# KiCad board A64-OlinuXino_Rev_H.kicad_pcb (continued)
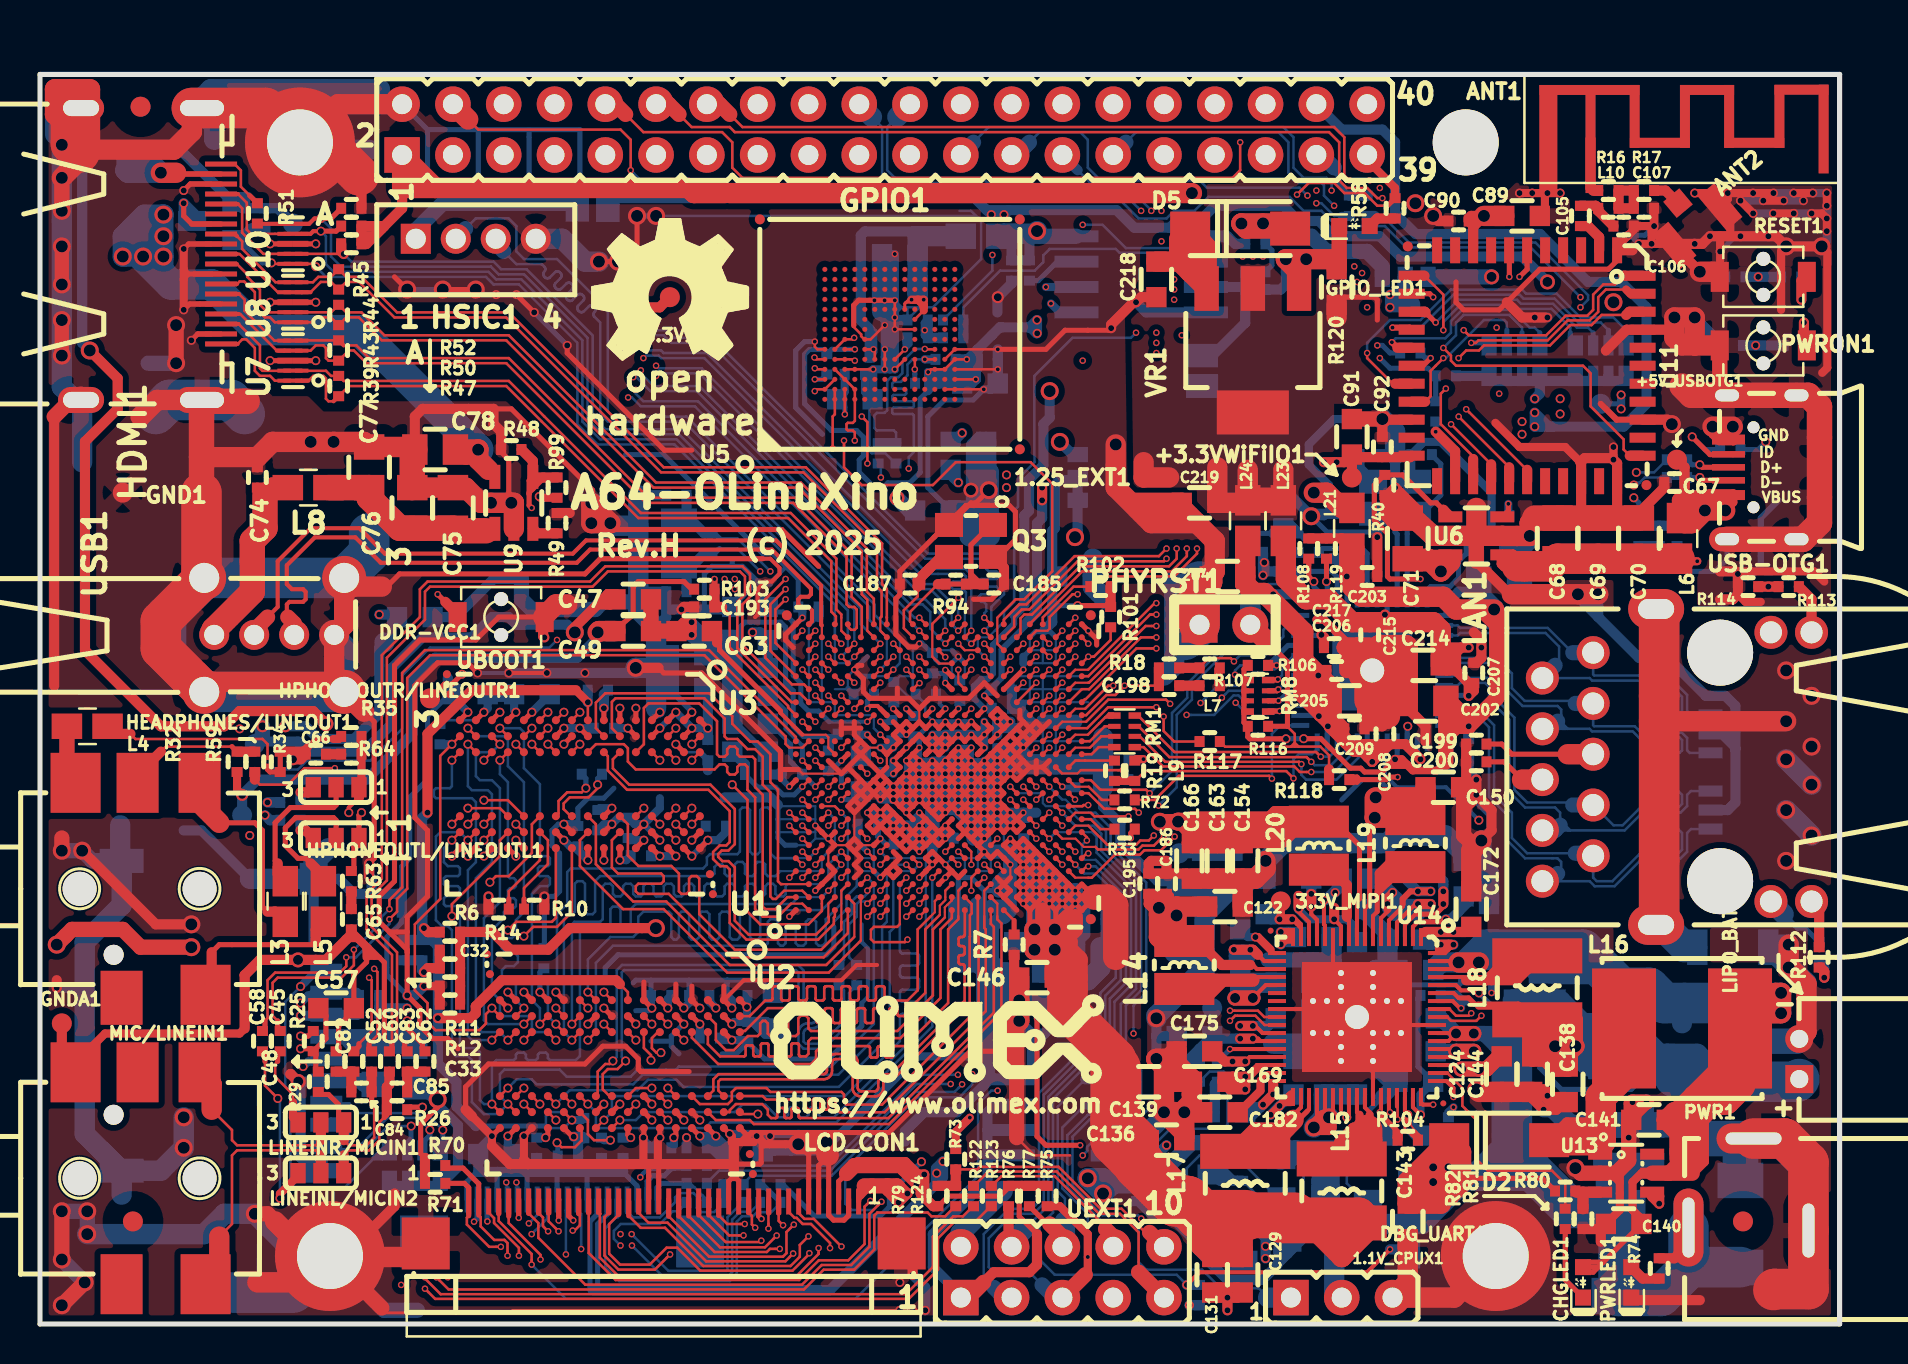
[diagram p0: board, top side]
## Nets (continued)
Net-(C48-Pad2): C48.2 C82.1 C84.2
Net-(C51-Pad1): C51.1 C53.1 U1.C11
Net-(C52-Pad1): C52.1 C84.1 LINEINR/MICIN1.1 R29.1
Net-(C54-Pad2): C54.2 C56.2 U1.F12 U1.G13
Net-(C55-Pad1): C55.1 U1.B12
Net-(C57-Pad2): C57.2 R25.1 R26.2 R29.2
Net-(C58-Pad1): C58.1 LINEINL/MICIN2.3
Net-(C59-Pad1): C59.1 R27.1 U1.B11
Net-(C60-Pad1): C60.1 C85.1 LINEINL/MICIN2.1 R26.1
Net-(C61-Pad1): C61.1 U1.E11
Net-(C61-Pad2): C61.2 U1.E10
Net-(C62-Pad1): C62.1 C83.1 C85.2
Net-(C63-Pad1): C63.1 U1.D13
Net-(C64-Pad1): C64.1 L2.2 MICRO_SD1.4
Net-(C65-Pad2): C65.2 R63.1
Net-(C66-Pad2): C66.2 R64.1
Net-(C68-Pad2): C68.2 C69.2 C70.2 L6.1 R38.2 U6.1
Net-(C74-Pad1): C74.1 L8.2 USB1.1
Net-(C75-Pad2): C75.2 C76.2 C77.2 L8.1 U9.1
Net-(C86-Pad2): C86.2 HPHONEOUTR/LINEOUTR1.3
Net-(C87-Pad2): C87.2 HPHONEOUTL/LINEOUTL1.3
Net-(C88-Pad2): C88.2 L9.1
Net-(C105-Pad1): C105.1 U11.2
Net-(C105-Pad2): C105.2 C106.2 L10.2
Net-(C107-Pad2): C107.2 L10.1 R16.2 R17.2
Net-(C125-Pad2): C125.2 U14.18
Net-(C135-Pad1): C135.1 C138.1 C144.1 L18.1 R78.1 T1.1 T1.2 T1.5 T1.6 T1.7 U14.63
Net-(C143-Pad2): C143.2 D2.1 FET3.3 R80.1
Net-(C149-Pad1): C149.1 U14.35
Net-(C151-Pad1): C151.1 U14.34
Net-(C174-Pad2): C174.2 U14.2
Net-(C177-Pad2): C177.2 R28.2 R91.2 U14.60
Net-(C181-Pad2): C181.2 R92.2 U14.50
Net-(C182-Pad2): C182.2 U14.33
Net-(C183-Pad1): C183.1 Q2.1 R93.1 U1.B19
Net-(C184-Pad1): C184.1 Q2.2 R93.2 U1.C18
Net-(C185-Pad1): C185.1 Q3.1 R94.2
Net-(C187-Pad1): C187.1 Q3.2 U1.K22
Net-(C188-Pad2): C188.2 U1.P16
Net-(C192-Pad2): C192.2 U1.G16
Net-(C196-Pad2): C196.2 LAN1.SH1 LAN1.SH2
Net-(C198-Pad2): C198.2 L7.1
Net-(C199-Pad2): C199.2 LAN1.5
Net-(C200-Pad2): C200.2 LAN1.6
Net-(C204-Pad2): C204.2 C205.2 C206.2 C208.2 C209.2 C210.2 L24.1 U15.14 U15.18 U15.23 U15.26 U15.30 U15.39
Net-(C207-Pad2): C207.2 C214.2 C215.2 L23.1 U15.4 U15.9 U15.44
Net-(C211-Pad2): C211.2 PHYRST1.2 R116.1 R117.1 R118.1 U15.42
Net-(C212-Pad2): C212.2 Q4.1 U15.46
Net-(C213-Pad2): C213.2 Q4.2 U15.45
Net-(C218-Pad1): C218.1 D5.1 VR1.3
Net-(CHGLED1-Pad1): CHGLED1.1 R82.2
Net-(D2-Pad2): D2.2 L16.2 U13.1
Net-(D3-Pad1): D3.1 HDMI1.18
Net-(D4-Pad1): D4.1 DBG_UART1.2
Net-(D4-Pad2): D4.2 R95.1 U1.Y7
Net-(DBG_UART1-Pad1): DBG_UART1.1 U1.V10
Net-(FET1-Pad3): FET1.3 HDMI1.13
Net-(FET2-Pad1): FET2.1 FET4.3 R24.2
Net-(FET3-Pad1): FET3.1 FET4.1 R20.1 R22.2 U16.1
Net-(GPIO_LED1-Pad2): GPIO_LED1.2 R58.2
Net-(HDMI1-Pad14): HDMI1.14
Net-(HDMI1-Pad19): HDMI1.19 R51.2
Net-(HEADPHONES/LINEOUT1-Pad1): HEADPHONES/LINEOUT1.1 L5.2
Net-(HEADPHONES/LINEOUT1-Pad2): HEADPHONES/LINEOUT1.2 L4.2
Net-(HEADPHONES/LINEOUT1-Pad3): HEADPHONES/LINEOUT1.3 L3.2
Net-(HEADPHONES/LINEOUT1-Pad4): HEADPHONES/LINEOUT1.4 R32.1 R59.1
Net-(HEADPHONES/LINEOUT1-Pad5): HEADPHONES/LINEOUT1.5
Net-(HPHONEOUTL/LINEOUTL1-Pad2): HPHONEOUTL/LINEOUTL1.2 L5.1
Net-(HPHONEOUTR/LINEOUTR1-Pad2): HPHONEOUTR/LINEOUTR1.2 L3.1
Net-(HSIC1-Pad1): HSIC1.1 HSIC_E1.2
Net-(HSIC1-Pad2): HSIC1.2 U1.H19
Net-(HSIC1-Pad3): HSIC1.3 U1.G19
Net-(L14-Pad1): L14.1 U14.21
Net-(L15-Pad1): L15.1 U14.43 U14.44
Net-(L17-Pad1): L17.1 U14.36 U14.37
Net-(L18-Pad2): L18.2 U14.65
Net-(L19-Pad1): L19.1 U14.7
Net-(L20-Pad1): L20.1 U14.10
Net-(LINEINL/MICIN2-Pad2): LINEINL/MICIN2.2 MIC/LINEIN1.1
Net-(LINEINR/MICIN1-Pad2): LINEINR/MICIN1.2 MIC/LINEIN1.3
Net-(MIC/LINEIN1-Pad4): MIC/LINEIN1.4
Net-(MIC/LINEIN1-Pad5): MIC/LINEIN1.5
Net-(MICRO_SD1-Pad5): MICRO_SD1.5 R33.1
Net-(MIPI-DSI1-Pad16): MIPI-DSI1.16 R129.2 R131.2
Net-(MIPI-DSI1-Pad17): MIPI-DSI1.17 R125.1 R127.1
Net-(MIPI-DSI1-Pad19): MIPI-DSI1.19 R126.1 R128.1
Net-(MIPI-DSI1-Pad20): MIPI-DSI1.20 R130.2 R132.2
Net-(PWRLED1-Pad2): PWRLED1.2 R74.2
Net-(PWRON1-Pad1): PWRON1.1 R91.1
Net-(R3-Pad2): R3.2 U1.G2
Net-(R4-Pad2): R4.2 U1.G3
Net-(R7-Pad2): R7.2 U1.U1
Net-(R9-Pad1): R9.1 U2.L8
Net-(R10-Pad1): R10.1 U3.L8
Net-(R13-Pad1): R13.1 U2.L9
Net-(R14-Pad1): R14.1 U3.L9
Net-(R15-Pad1): R15.1 U5.H5
Net-(R19-Pad1): R19.1 U1.AB12
Net-(R41-Pad2): R41.2 U6.3
Net-(R49-Pad2): R49.2 U9.3
Net-(R54-Pad1): R54.1 U11.17
Net-(R55-Pad1): R55.1 R56.1 U12.3 WP_Enable1.2
Net-(R57-Pad1): R57.1 U12.7
Net-(R60-Pad1): R60.1 U11.24
Net-(R72-Pad1): R72.1 U1.AB11
Net-(R80-Pad2): R80.2 R81.1 U13.3
Net-(R82-Pad1): R82.1 U14.53
Net-(R83-Pad1): R83.1 U14.30
Net-(R86-Pad1): R86.1 U14.26
Net-(R87-Pad1): R87.1 U14.27
Net-(R89-Pad1): R89.1 RESET1.1
Net-(R94-Pad1): R94.1 U1.K23
Net-(R96-Pad1): R96.1 U1.H14
Net-(R97-Pad1): R97.1 U1.AA11
Net-(R98-Pad1): R98.1 U1.AA12
Net-(R105-Pad2): R105.2 R106.2 U15.33
Net-(R107-Pad1): R18.2 R107.1 U15.35
Net-(R109-Pad2): R109.2 R110.2 U15.41
Net-(R111-Pad2): R111.2 R112.2 U15.17
Net-(R113-Pad2): R113.2 R114.2 U15.15
Net-(R115-Pad1): R115.1 U15.48
Net-(R119-Pad1): R119.1 U15.38
Net-(RM1-Pad1.2): RM1.1.2 U1.AC13
Net-(RM1-Pad2.2): RM1.2.2 U1.AB13
Net-(RM1-Pad3.2): RM1.3.2 U1.AC14
Net-(RM1-Pad4.2): RM1.4.2 U1.AB14
Net-(RM15-Pad1.1): RM8.1.2 RM15.1.1 U15.32
Net-(RM15-Pad2.1): RM8.2.2 RM15.2.1 U15.31
Net-(RM15-Pad3.1): RM8.3.2 RM15.3.1 U15.28
Net-(RM15-Pad4.1): RM8.4.2 RM15.4.1 U15.27
Net-(T1-Pad3): T1.3 U14.52
Net-(U1-PadA13): U1.A13
Net-(U1-PadB10): U1.B10
Net-(U1-PadB13): U1.B13
Net-(U1-PadC14): U1.C14
Net-(U1-PadD14): U1.D14
Net-(U1-PadE16): U1.E16
Net-(U1-PadF16): U1.F16
Net-(U11-Pad3): U11.3
Net-(U11-Pad4): U11.4
Net-(U11-Pad5): U11.5
Net-(U11-Pad8): U11.8
Net-(U11-Pad10): U11.10
Net-(U11-Pad11): U11.11
Net-(U11-Pad21): U11.21
Net-(U11-Pad23): U11.23
Net-(U11-Pad29): U11.29
Net-(U11-Pad30): U11.30
Net-(U11-Pad32): U11.32
Net-(U11-Pad35): U11.35
Net-(U11-Pad37): U11.37
Net-(U11-Pad38): U11.38
Net-(U11-Pad39): U11.39
Net-(U11-Pad40): U11.40
Net-(U13-Pad6): U13.6
Net-(U14-Pad23): U14.23
Net-(U14-Pad24): U14.24
Net-(U15-Pad13): U15.13
Net-(U15-Pad43): U15.43
Net-(U15-Pad47): U15.47

Pads without a net: ANT1 0; FID1 Fid1; FID2 Fid1; FID3 Fid1; FID4 Fid1; FID5 Fid1; FID6 Fid1; MIPI-DSI1 0; U1 fid1 fid2 fid3; U2 FID1 FID2 FID3 FID4; U3 FID1 FID2 FID3 FID4; U5 A1 A2 A7 A8 A9 A10 A11 A12 A13 A14 B1 B7 B8 B9 B10 B11 B12 B13 B14 C1 C3 C5 C7 C8 C9 C10 C11 C12 C13 C14 D1 D2 D3 D4 D12 D13 D14 E1 E2 E3 E5 E8 E9 E10 E12 E13 E14 F1 F2 F3 F10 F12 F13 F14 FID1 FID2 FID3 G1 G2 G3 G10 G12 G13 G14 H1 H2 H3 H12 H13 H14 J1 J2 J3 J12 J13 J14 K1 K2 K3 K6 K7 K10 K12 K13 K14 L1 L2 L3 L12 L13 L14 M1 M2 M3 M7 M8 M9 M10 M11 M12 M13 M14 N1 N3 N6 N7 N8 N9 N10 N11 N12 N13 N14 P1 P2 P7 P8 P9 P10 P11 P12 P13 P14; U11 FID1 FID2; U14 Fid1 Fid2

## Via types
v1: diameter 0.75, hole 0.5, Top to Bottom, 15 vias
v2: diameter 0.9, hole 0.6, Top to Bottom, 127 vias
v3: diameter 0.45, hole 0.3, Top to Bottom, 407 vias
v4: diameter 0.327, hole 0.2, Top to Bottom, 542 vias
v5: diameter 0.6, hole 0.4, Top to Bottom, 8 vias
v6: diameter 0.406, hole 0.254, Top to Bottom, 31 vias

## Routing (per net, layer and track width the routed paths; a pad name or vN(x,y) marks a point on that pad's centre or on a via; arc(x,y) is an arc through that point)
1.1V_CPUS: length 99.9
  Top w0.203: 68.15,21.01 68.15,20.88 67.46,20.19 U14.5
  Top w0.254: U1.H15 v4(42.03,30.12)
  Top w0.305: 68.15,21.01 68.15,21.26 68.53,21.64 69.04,21.64
  Top w0.406: 69.04,21.64 v3(69.54,21.64)
  In2.Cu w0.305: 41.73,34.59 41.59,34.46 41.59,31.83 42.03,31.4 v4(42.03,30.12)
  In2.Cu w0.508: 78.12,46.47 77.1,46.47 75.64,47.93 73.61,47.93 71.96,46.28 70.56,46.28 68.66,44.37 56.46,44.37 55.19,43.1 50.85,43.1 49.39,44.56 44.45,44.56 42.92,43.04 42.92,42.46 41.73,41.28 41.73,34.59 ; 78.12,46.47 v3(79.07,46.47) v3(79.07,45.77) 78.37,46.47 78.12,46.47
  In3.Cu w0.508: 69.67,22.91 69.69,22.93 69.69,28.73 69.16,29.26 69.16,35.48 71.58,37.9 74.24,37.9 79.29,42.95 79.29,45.55 v3(79.07,45.77) v3(79.07,46.47) ; 69.67,22.91 69.13,22.37 ; 69.67,22.91 69.54,22.78 v3(69.54,21.64) ; v3(69.54,21.64) 69.13,22.05 69.13,22.31 ; v3(69.54,21.64) v3(68.91,21.64) ; 69.13,22.37 68.91,22.15 v3(68.91,21.64) ; 69.13,22.37 69.13,22.31 ; 69.13,22.31 69.13,21.87 v3(68.91,21.64)
  Bottom w0.254: C117.2 42.52,30.12 v4(42.03,30.12) ; v3(79.07,45.77) 79.07,46.02 1.1V_CPUS1.1
  Bottom w0.406: v3(79.07,45.77) v3(79.07,46.47)
  Bottom w0.508: v3(46.11,44.56) 45.67,44.12 C120.2 ; 68.15,22.66 68.15,22.4 v3(68.91,21.64) v3(69.54,21.64)
1.1V_CPUX: length 150.4
  Top w0.254: v2(49.73,19.74) 49.5,19.97 U1.W1 ; v4(49.82,21.67) U1.W3 ; v4(49.82,21.67) 49.5,21.35 ; v4(49.82,21.67) U1.Y3 ; v4(49.82,21.67) U1.Y2 ; U1.W3 v4(49.18,22.33) ; U1.W3 v4(49.82,22.33) ; U1.W3 v4(49.18,21.67) ; v4(49.82,22.33) U1.W4 ; v4(49.82,22.33) U1.Y4 ; v4(49.82,22.33) U1.Y3 ; U1.W4 v4(49.18,22.97) ; U1.W4 v4(49.18,22.33) ; U1.W4 v4(49.82,22.97) ; v4(49.82,22.97) U1.W5 ; v4(49.82,22.97) 50.15,23.3 ; v4(49.82,22.97) U1.Y4 ; U1.W5 49.82,23.62 ; U1.W5 v4(49.18,23.62) ; U1.W5 v4(49.18,22.97) ; 49.5,21.35 49.82,21.03 ; 49.5,21.35 v4(49.18,21.03) ; 49.5,21.35 v4(49.18,21.67) ; 49.82,21.03 U1.Y2 ; 49.82,21.03 50.15,20.7 v4(50.47,21.03) ; 49.82,21.03 U1.W1 ; U1.Y2 v4(50.47,21.67) ; U1.Y2 v4(50.47,21.03) ; v4(50.47,21.67) v4(51.12,21.03) ; v4(50.47,21.67) U1.AA3 ; v4(50.47,21.67) U1.Y3 ; 51.45,20.7 v4(51.12,21.03) ; 51.45,20.7 v4(51.78,21.03) ; 51.45,20.7 51.45,20.38 ; v4(51.12,21.03) U1.AB2 ; v4(51.12,21.03) U1.AA1 ; 51.45,20.38 51.78,20.38 U1.AC1 ; 51.45,20.38 51.39,20.38 ; 51.27,19.22 51.38,19.1 ; 52.43,21.03 U1.AC2 ; 52.43,21.03 U1.AC1 ; 52.43,21.03 52.75,21.35 52.43,21.67 ; U1.AC2 v4(51.78,21.67) ; U1.AC2 52.43,21.67 ; U1.AC2 v4(51.78,21.03) ; 49.5,23.95 49.18,24.28 U1.V6 ; 49.5,23.95 49.82,23.62 ; 49.5,23.95 v4(49.18,23.62) ; 49.82,23.62 50.15,23.3 ; 50.15,23.3 50.47,22.97 ; 50.47,22.97 50.8,22.65 ; 50.47,22.97 U1.Y4 ; 50.8,22.65 51.12,22.33 ; 50.8,22.65 v4(50.47,22.33) ; 51.12,22.33 51.45,22 ; 51.12,22.33 U1.AA3 ; 51.45,22 v4(51.78,21.67) ; 51.45,22 v4(51.12,21.67) ; v4(51.78,21.67) 52.1,22 52.43,21.67 ; v4(51.78,21.67) U1.AB2 ; 48.53,23.62 U1.V5 ; 48.53,23.62 U1.U6 v4(48.53,24.28) U1.V6 ; 48.53,23.62 U1.V6 ; U1.V5 v4(49.18,23.62) ; U1.V5 v4(49.18,22.97) ; v4(49.18,22.33) U1.V4 v4(49.18,22.97) ; v4(49.18,22.33) U1.V3 v4(49.18,21.67) ; v4(51.78,21.03) U1.AC1 ; v4(51.78,21.03) U1.AB2 ; v4(49.18,21.67) U1.V2 v4(49.18,21.03) ; U1.AA3 v4(51.12,21.67) ; U1.AA3 v4(50.47,22.33) ; U1.AA1 v4(50.47,21.03) ; U1.AA1 50.8,19.78 v2(50.75,19.73) ; v4(50.47,21.03) v4(51.12,21.67) ; U1.Y4 v4(50.47,22.33) ; U1.Y3 v4(50.47,22.33) ; v4(49.18,23.62) U1.V6 ; U1.AB2 v4(51.12,21.67) ; U1.W1 v4(49.18,21.03) ; 50.15,19.74 50.15,20.05 50.15,19.74
  Top w0.762: 50.15,20.7 50.15,19.74 ; 51.27,19.22 51.78,19.72 51.78,20.38 ; 51.39,20.38 v2(50.75,19.73) ; C136.2 55.45,9.32 55.57,9.45 54.81,10.21 53.8,10.21
  Top w1.016: 49.73,19.61 v2(49.73,18.72) v2(50.75,18.72) ; 51.38,17.32 50.75,17.32 v2(50.75,18.72) ; 51.38,18.72 51.89,18.21 51.89,17.32 51.38,16.81 ; 51.38,18.72 51.38,19.1 51.38,19.1 v2(50.75,19.73) ; 51.38,18.72 v2(50.75,18.72) ; 64.9,5.06 L15.2 65.3,5.06 ; 58.06,3.91 58.06,5.44 L17.2 60.15,5.31 60.15,3.73 ; 58.06,3.91 C131.2 C129.2 60.15,3.73 ; 58.06,3.91 59.97,3.91 60.15,3.73 ; 53.8,10.21 54.56,10.97 C139.2 54.43,12.12 ; C136.2 55.45,8.05 ; v2(50.75,18.72) v2(50.75,19.73) ; 63.07,5.13 63.32,5.13 1.1V_CPUX1.1 ; 65.35,5 66.24,5 66.5,4.75 1.1V_CPUX1.1 ; 1.1V_CPUX1.1 65.1,5 ; v2(49.73,19.74) 50.74,19.74 v2(50.75,19.73)
  Top w1.27: 53.8,18.34 53.8,20.95 53.4,21.35 52.75,21.35
  Top w1.778: 66.24,5.13 65.94,5.44 L17.2
  Top w2.032: 51.38,17.32 51.38,15.67 53.8,13.26 53.8,12.75 ; 62.13,5.06 L15.2 ; 62.76,5.44 63.07,5.13 62.2,5.13
  Top w2.286: L17.2 62.76,5.44
  Top w2.54: 53.8,12.75 53.8,9.19 54.94,8.05 54.94,7.99 56.78,6.15 57.35,6.15 58.06,5.44 L17.2
  In4.Cu w0.406: v4(48.53,24.28) v4(49.18,23.62)
  Bottom w0.254: 49.59,21.03 v4(49.18,21.03) v4(49.18,21.67) v4(49.18,22.33) v4(49.18,22.97) v4(49.18,23.62) 49.82,23.62 v4(51.78,21.67) ; 51.78,18.98 C137.2 ; C130.2 52.16,21.03
  Bottom w0.406: C132.2 49.2,23.92 49.5,23.62
  Bottom w0.508: C137.2 52.27,19.48 C127.2 C130.2 52.27,21.18 v4(51.78,21.67) ; C134.2 C123.2
  Bottom w0.762: C137.2 51.45,19.4 51.78,19.72 v4(51.78,21.67) v4(51.78,21.03) v4(49.82,22.97) U1.W5 49.5,23.62
  Bottom w1.016: v2(50.75,18.72) 49.82,18.72 ; v2(50.75,18.72) 51.51,18.72 C137.2 ; v2(50.75,18.72) v2(50.75,19.73) ; 49.82,18.72 v2(49.73,18.72) ; 49.82,18.72 50.11,18.43 C148.2 ; 49.82,18.72 49.44,19.1 C142.2 ; 49.82,18.72 49.73,18.81 v2(49.73,19.74) ; v2(49.73,19.74) 49.82,19.83 v4(49.82,22.97) ; v2(49.73,19.74) 50.74,19.74 v2(50.75,19.73) ; v2(50.75,19.73) 51.12,20.11 v4(51.12,21.67) ; v2(50.75,19.73) 50.47,20 v4(50.47,22.33)
1.1V_SYS: length 108.7
  Top w0.203: U14.9 65.86,21.13 65.99,21.26
  Top w0.254: U1.M14 v4(45.28,29.47) U1.N14 ; U1.M14 v4(44.62,28.83) ; U1.M14 v4(45.28,28.83) U1.N14 ; U1.M14 v4(44.62,29.47) U1.L14 ; U1.L14 43.97,29.47 U1.K14 v4(43.32,28.83) U1.J13 v4(42.68,28.17) U1.J12 v4(42.68,27.53) ; U1.L14 v4(44.62,28.83) ; v4(44.62,28.83) U1.M13 ; U1.R14 v4(47.22,29.47) U1.T15 v4(47.22,30.12) ; U1.R14 v4(47.22,28.83) ; U1.R14 v4(46.57,29.47) U1.P14 v4(45.93,29.47) U1.N14 ; 65.99,21.26 65.99,23.93 64.79,25.13 L20.2
  Top w0.305: U1.L13 v4(44.62,28.83) ; U1.R13 v4(47.22,28.83) ; U1.M13 v4(45.28,28.83)
  Top w0.508: L20.2 63.43,25.65 61.75,25.65 61.29,25.2
  Top w0.762: v2(56.92,25.13) 56,25.13 ; C166.2 57.61,24.44 ; 57.48,24.68 57.03,25.13
  Top w0.889: 57.55,25.13 v2(56.92,25.13)
  Top w1.016: 61.7,25.22 63.86,25.22 L20.2 ; 63.07,25.32 62.05,24.31 57.86,24.31 C166.2 C163.2 C154.2 ; 61.53,25.13 57.55,25.13
  Top w1.524: L20.2 62.36,25.13
  In4.Cu w0.107: 43.65,28.5 46.25,28.5 ; 43.65,28.5 v4(43.32,28.83) 42.35,29.8 ; 43.65,28.5 U1.J13 v4(42.68,28.17) 42.35,28.5 ; 46.25,28.5 U1.R13 v4(47.22,28.83) ; 46.25,28.5 U1.P14 ; 52.1,29.15 50.15,29.15 ; 42.35,29.8 41.7,29.8 ; 42.35,29.8 42.35,30.45 41.7,30.45 ; 41.7,29.8 41.05,29.8 41.05,30.45 ; 41.7,29.8 41.7,28.5 ; 41.7,29.8 41.7,30.45 ; 41.7,30.45 41.05,30.45 ; 43,31.1 41.05,31.1 41.05,30.45 ; 43,31.1 43.65,31.1 ; 43,31.1 43,30.45 ; 42.35,28.5 41.7,28.5 ; 42.35,28.5 42.35,29.15 41.38,29.15 ; 41.7,28.5 41.38,28.5 40.72,27.85 39.75,27.85 39.1,28.5 38.45,28.5 38.45,27.85 ; 49.5,29.15 50.15,29.15 ; 49.5,29.15 48.53,29.15 ; 49.5,29.15 49.5,27.85 ; 50.15,29.15 50.15,27.85 50.15,28.17 ; 50.8,29.8 50.8,30.12 50.8,27.85
  In4.Cu w0.508: v2(56.92,25.13) 56.92,26.16 55.76,27.31 55.26,27.31 55.07,27.12 53.21,27.12 53.1,27.23 ; 48.2,28.83 v4(47.22,28.83) ; v4(42.68,27.53) v4(42.68,28.17)
  In4.Cu w0.711: 51.45,30.12 49.5,30.12 48.2,28.83
  In4.Cu w0.762: 49.5,27.85 49.18,27.85 48.2,28.83 ; 51.45,30.12 52.1,29.47 52.1,29.15 52.1,27.85 52.1,28.17
  In4.Cu w1.397: 49.5,27.85 50.8,27.85 52.54,27.85 53.16,27.23
  Bottom w0.254: v4(43.32,28.83) v4(42.68,28.17) ; v4(45.28,28.83) v4(45.28,29.47)
  Bottom w0.406: v4(42.68,28.17) v4(42.68,27.53) 42.59,27.61 C155.2 ; v4(47.22,29.47) v4(46.57,29.47) ; v4(47.22,29.47) v4(47.22,30.12) ; v4(47.22,29.47) v4(47.22,28.83) ; C158.2 45.18,28.83 v4(45.28,28.83) v4(44.62,28.83) v4(44.62,29.47) v4(45.28,29.47)
  Bottom w0.508: v4(45.28,29.47) v4(45.93,29.47) v4(46.57,29.47) ; 1.1V_SYS1.1 57.99,23.55 C160.2 58.12,24.69 57.68,25.13 v2(56.92,25.13)
  Bottom w0.762: v2(56.92,25.13) 56,25.13
  Bottom w1.016: C160.2 C168.2
  vias: v2(56,25.12)
1.2V_HSIC: length 135.1
  Top w0.203: 68.91,20.5 68.78,20.5 68.26,19.98 U14.3
  Top w0.254: U1.K16 v4(43.32,30.78) ; 68.91,20.5 69.8,20.5 70.18,20.88 v3(70.18,21.01)
  Top w0.508: v3(70.18,21.01) v3(70.18,21.64)
  In2.Cu w0.254: v4(43.32,30.78) 43.32,30.81 44.72,32.21
  In2.Cu w0.508: 44.72,32.25 44.72,42.1 45.73,43.1 47.83,43.1 48.34,42.6 v3(48.34,42.47) v3(48.34,41.83)
  In3.Cu w0.508: v3(48.21,55.49) 47.7,55.49 ; v3(48.21,55.49) 48.21,54.98 ; v3(48.21,55.49) 47.7,55.49 ; 47.7,55.49 v3(47.57,55.49) 49.22,53.84 49.22,45.2 48.34,44.31 v3(48.34,42.47) v3(48.34,41.83) ; 47.7,55.49 48.21,54.98 ; 48.21,54.85 48.21,54.98 ; v1(75.39,52.12) 75.96,52.69 77.61,52.69 78.18,52.12 79.07,52.12 79.96,51.23 79.96,43.74 80.47,43.23 80.47,40.82 80.09,40.44 77.74,40.44 74.56,37.26 71.96,37.26 69.93,35.23 69.93,29.52 70.31,29.13 70.31,22.09 70.18,21.96 v3(70.18,21.64) v3(70.18,21.01)
  Bottom w0.305: v4(43.32,30.78) 43.69,30.41 C197.1
  Bottom w0.508: 47.29,55.77 46.75,56.31 28.78,56.31 HSIC_E1.1 ; 47.29,55.77 v3(47.57,55.49) v3(48.21,55.49) 48.43,55.71 ; 47.29,55.77 47.35,55.71 48.43,55.71 ; 48.43,55.71 53.84,55.71 54.72,54.83 56.51,54.83 56.84,55.17 57.99,55.17 58.75,55.93 62.18,55.93 62.94,55.17 63.96,55.17 64.72,54.41 67,54.41 68.02,53.39 74.12,53.39 v1(75.39,52.12) ; 69.67,22.66 70.18,22.15 v3(70.18,21.64) v3(70.18,21.01)
3.0V_RTC: length 144.7
  Top w0.203: v3(68.4,10.47) 68.26,10.61 U14.49 ; v4(41.38,30.78) 41.51,30.91 41.89,30.91 42.03,30.78
  Top w0.254: U1.H16 42.03,30.78
  Top w0.406: v3(68.4,10.47) 68.4,9.83 v3(68.47,9.77) 68.91,9.32 R104.1
  In2.Cu w0.107: 41.16,34.17 40.99,34.35 40.4,34.35 38.45,34.35 ; 41.16,33.7 40.4,33.7 38.45,33.7
  In2.Cu w0.203: 38.45,34.35 38.12,34.03 38.45,33.7
  In2.Cu w0.254: 41.16,32.08 41.16,31.64 41.38,31.42 v4(41.38,30.78)
  In2.Cu w0.305: 41.16,34.17 41.16,32.08
  In2.Cu w0.406: 33.38,38.91 34.39,37.91 34.99,37.91 35.38,37.52 35.38,36.37 37.73,34.03 38.12,34.03
  In2.Cu w0.508: v3(16.97,35.48) 19.51,38.02 19.89,38.02 21.41,39.55 25.35,39.55 25.98,38.91 33.38,38.91
  In3.Cu w0.254: 12.9,7.92 13.18,7.65 16.41,7.65 22.48,1.58 24.65,1.58
  In3.Cu w0.305: 24.65,1.58 41.45,1.58 45.33,5.45 45.92,5.45
  In3.Cu w0.406: v3(68.4,10.47) 68.4,9.83 v3(68.47,9.77)
  In3.Cu w0.508: 12.9,7.92 10.24,10.59 10.24,23.74 9.41,24.56 9.41,27.04 v5(12.27,29.9) ; v3(68.47,9.77) 68.47,9.39 66.5,7.42 55.57,7.42 53.61,5.45 45.92,5.45
  Bottom w0.254: C189.2 41.38,31.17 v4(41.38,30.78)
  Bottom w0.406: 69.16,9.45 68.4,10.21 68.4,10.31 ; C152.1 68.81,9.42 v3(68.47,9.77) 68.4,9.83 68.4,10.31 ; 68.4,10.31 v3(68.4,10.47)
  Bottom w0.508: v5(12.27,29.9) 13.28,29.9 13.92,29.26 15.7,29.26 16.97,30.53 16.97,33.83 3.0V_RTC1.1 17.6,34.47 17.6,35.1 C190.2 17.73,35.48 v3(16.97,35.48) ; R85.2 69.29,9.32 69.16,9.45 ; 69.16,9.45 68.78,9.45 v3(68.47,9.77) 68.8,9.77 69.14,9.42 69.16,9.45
+1.5V: length 448.3
  Top w0.127: U2.A8 35.1,10.5 v3(35.9,10.5) ; U2.A1 35.01,16.2
  Top w0.203: 66.5,21.01 66.26,20.77 U14.8
  Top w0.254: 44.62,24.28 U1.L7 ; 44.62,24.28 44.95,23.95 v4(45.28,24.28) ; 44.62,24.28 44.95,24.6 ; 44.62,24.28 U1.L6 ; U1.L7 44.62,24.92 ; U1.L7 v4(43.97,24.28) ; U1.L7 v4(43.97,24.92) ; U1.L6 v4(43.97,23.62) U1.K6 ; U1.L6 v4(43.97,24.28) ; 44.95,24.6 v4(45.28,24.28) ; 44.95,24.6 44.62,24.92 ; 44.95,24.6 v4(45.28,24.92) ; v4(45.28,24.28) U1.N7 v4(45.28,24.92) ; 43.32,24.28 U1.K7 ; 43.32,24.28 U1.K6 ; 43.32,24.28 43,23.95 ; 43.32,24.28 43,24.6 ; U1.K7 v4(43.32,24.92) ; U1.K7 v4(43.97,24.92) ; U1.K7 v4(43.97,24.28) ; 43,24.6 v4(43.32,24.92) ; 43,24.6 42.68,24.28 ; 43,24.6 v4(42.68,24.92) ; v4(43.32,24.92) U1.J8 ; 44.62,24.92 U1.L8 ; v4(42.03,25.58) 42.35,25.9 42.68,25.58 ; v4(42.03,25.58) 42.35,25.25 ; v4(42.03,25.58) U1.G8 ; v4(42.03,25.58) U1.G9 v4(41.38,25.58) U1.G8 ; U1.G8 41.38,24.92 U1.G7 ; U1.G8 42.03,24.92 ; 43,23.95 43.32,23.62 U1.K6 ; 43,23.95 42.68,24.28 ; 42.68,24.28 42.35,24.6 ; 42.35,24.6 v4(42.68,24.92) ; 42.35,24.6 42.03,24.92 ; DDR-VCC1.1 20.22,32 20.6,32 v3(21.1,32.5) ; U1.L8 v4(43.97,24.92) ; U1.L8 v4(43.97,25.58) ; U3.G7 v3(28.6,25.8) ; U3.A1 v3(33.4,29.8) ; U2.K2 v3(27.4,15) ; U1.K6 v4(43.97,24.28) ; U3.R1 v3(22.2,30.6) ; U1.J8 v4(42.68,24.92) ; U1.J8 42.68,25.58 ; U2.R1 v3(23.4,16.6) ; U3.C1 v3(31.8,30.6) ; U2.H2 v3(29.8,15) ; U2.C9 v3(33.8,9.4) ; U1.N8 v4(45.28,24.92) ; U3.H2 v3(27,29.8) ; v3(33.8,15.8) U2.C1 ; v2(66.75,25.32) 66.5,25.07 66.5,21.01 ; v3(29.54,9.32) 29.4,9.46 U2.H9 ; U3.D2 v3(31,29.8) ; U3.K2 v3(26.2,29.8) ; v3(28.2,11) U2.K8 ; U3.E9 v3(30.2,24.2) ; U3.K8 v3(26.2,24.2) ; 42.03,24.92 42.35,25.25 ; U2.R9 v3(23.4,9.4) ; U2.B2 v3(34.6,15) ; U3.F1 v3(29,30.8) ; U2.G7 v3(30.6,11) ; U3.N9 v3(23.8,23.4) ; U2.N1 v3(25,16.6) ; v4(42.68,24.92) 42.35,25.25 ; v3(25.29,9.32) 25.4,9.44 U2.N9 ; U3.C9 v3(31.8,23.4) ; U2.D9 v3(33,9.4) ; U3.H9 v3(27.4,23.2) ; 42.35,25.25 42.68,25.58 ; U3.R9 v3(21.4,23.4) ; U2.E9 31.8,9.42 v3(31.7,9.32) ; U3.N1 v3(23.8,30.6) ; U3.B2 v3(32.6,29.8) ; U3.D9 v3(31,23.4) ; U2.D2 v3(33,15) ; 35.01,16.2 v3(35.35,15.85) ; v3(31.4,15.8) U2.F1 ; U3.A8 v3(32.6,24.2)
  Top w0.305: U1.G7 42.03,24.92
  Top w0.508: v3(19.2,17.6) 19.4,17.8 R11.2 C32.2
  Top w0.762: 67.73,26.31 67.6,26.31 66.62,25.32
  Top w1.016: L19.2 68.71,25.32 v2(66.75,25.32) 66.75,26.31 ; L19.2 69.29,25.76 C150.2 ; L19.2 67.73,26.31 ; 69.29,26.34 v2(66.8,26.34)
  In4.Cu w0.107: 46.25,23.95 46.25,24.28 45.6,24.28 ; 46.25,23.95 46.25,23.3 ; 46.25,23.95 39.75,23.95 ; 46.25,23.3 46.25,21.03 ; 46.25,23.3 44.95,23.3 ; 46.25,23.3 46.9,23.3 46.9,22.65 ; 46.9,22.65 46.9,21.03 ; 46.9,22.65 47.55,22.65 ; 45.6,24.28 U1.N7 U1.L7 ; 45.6,24.28 45.6,22.65 ; 45.6,24.28 v4(45.28,24.28) ; U1.G8 U1.G7 ; U1.G8 39.1,25.25 ; U1.G8 v4(41.38,25.58) 41.05,25.9 39.75,25.9 ; U1.G7 41.7,19.72 ; U1.G7 U1.K7 ; U1.G7 39.1,24.6 ; 39.75,25.9 38.45,25.9 ; 39.75,25.9 39.75,23.95 ; 38.45,25.9 37.8,25.9 ; 38.45,25.9 38.45,22.65 ; 37.8,25.9 37.15,25.9 ; 37.8,25.9 37.8,21.67 ; 38.78,25.25 36.82,25.25 ; 38.78,25.25 39.1,25.25 ; 38.78,25.25 38.78,25.58 ; U1.K7 U1.L7 ; U1.K7 43.65,20.05 ; U1.L7 44.3,23.3 ; 44.3,23.3 44.3,21.35 ; 44.3,23.3 44.95,23.3 ; 44.3,21.35 44.3,20.7 ; 44.3,21.35 41.05,21.35 ; 44.95,23.3 44.95,22 ; 44.95,22 44.95,21.03 ; 44.95,22 42.35,22 ; 39.75,23.3 39.75,20.7 ; 39.75,23.3 39.75,23.95 ; 39.75,23.3 42.35,23.3 ; 39.75,23.3 37.15,23.3 ; 38.45,22.65 38.45,22 ; 38.45,22.65 37.15,22.65 ; 38.45,22.65 42.35,22.65 45.6,22.65 ; 38.45,22 38.45,21.03 ; 38.45,22 39.1,22 ; 42.35,22 42.68,22 ; 42.35,22 39.1,22 ; 45.6,22.65 45.6,19.72 ; 39.75,23.95 37.47,23.95 ; 44.3,20.7 44.3,20.05 ; 44.3,20.7 41.05,20.7 ; 39.1,22 39.1,21.35 ; 39.1,25.25 39.1,24.6 ; 39.1,24.6 36.82,24.6
  In4.Cu w0.127: U2.E9 31,9.8 ; U2.E9 31.7,9.7 v3(31.7,9.32) ; U2.E9 31.8,10.6 ; 31,9.8 U2.H9 ; 31,9.8 31,11.4 ; 31,9.8 30.61,9.8 30.61,9.02 ; 23,11.4 23,9.8 23.41,9.8 ; 23,11.4 23,14.6 ; 23,11.4 23.8,11.4 ; 26.2,9.8 U2.N9 ; 26.2,9.8 27,9.8 ; 26.2,9.8 26.2,17 ; 26.2,9.8 26.29,9.71 26.29,9.09 ; U2.N9 25.4,10.6 ; U2.N9 25.25,9.8 ; 27,9.8 27.8,9.8 ; 27,9.8 27,17.1 ; 27.8,9.8 28.6,9.8 ; 27.8,9.8 27.8,17.2 ; 28.6,9.8 U2.H9 ; 28.6,9.8 28.6,10.6 v3(28.2,11) ; U2.H9 29.4,11.4 ; 25.4,10.6 25.4,11.4 ; 25.4,10.6 32.6,10.6 U2.D9 v3(33,9.4) ; 25.4,11.4 25.4,15.5 ; 25.4,11.4 23.8,11.4 ; 31,11.4 31,12.2 ; 31,11.4 31.9,11.4 ; 23,14.6 23,15.4 ; 23,14.6 31,14.6 ; U2.D2 32.6,16.3 ; U2.D2 31.8,15.4 ; U2.D2 v3(33,15) 32.6,14.6 31.8,14.6 ; 23,15.4 23,16.2 ; 23,15.4 31,15.4 ; 23,16.2 23,16.9 ; 23,16.2 32.4,16.2 ; 31.8,14.6 31,14.6 ; 31.8,14.6 31.8,15.4 ; 31,14.6 31,15.4 ; 31,15.4 31.8,15.4 ; 23.8,11.4 U2.R9 ; 23.8,11.4 23.8,17.1 24.6,17.1 24.6,9.8 ; 24.6,9.8 U2.R9 ; 24.6,9.8 25.25,9.8 ; U2.R9 23.41,9.8 ; 32.2,24.6 32.2,25.4 ; 32.2,24.6 v3(32.6,24.2) ; 32.2,24.6 30.6,24.6 ; 32.2,25.4 32.2,28.6 ; 32.2,25.4 32.8,25.4 ; 32.2,25.4 21.8,25.4 ; U3.C9 31.4,31.3 ; U3.C9 21,23.8 ; U3.C9 v3(31.8,23.4) ; 30.6,24.6 28.6,24.6 ; 30.6,24.6 30.6,25.4 ; 28.6,24.6 20.3,24.6 ; 28.6,24.6 28.6,23 ; 32.2,28.6 U3.B2 ; 32.2,28.6 32.9,28.6 ; 32.2,28.6 26.6,28.6 ; 21.8,25.4 U3.R9 v3(21.4,23.4) ; 21.8,25.4 21,25.4 ; 21,25.4 20.3,25.4 ; 21,25.4 21,23.8 ; 21,23.8 20.2,23.8 ; U3.B2 32.2,30.2 ; U3.B2 21,29.4 ; 32.2,30.2 32.2,31.3 ; 32.2,30.2 26.6,30.2 ; 26.6,30.2 20.7,30.2 ; 26.6,30.2 26.6,30.8 ; 26.6,30.2 26.6,28.6 ; 26.6,28.6 25.8,28.6 ; 25.8,28.6 25,28.6 ; 25.8,28.6 25.8,30.8 ; 25,28.6 24.2,28.6 ; 25,28.6 25,31 ; 24.2,28.6 22.6,28.6 ; 24.2,28.6 24.2,30.2 v3(23.8,30.6) U3.N1 23.4,28.7 ; 22.6,28.6 20.2,28.6 ; 22.6,28.6 22.6,27.8 ; 21,29.4 20.1,29.4 ; 21,29.4 21,28.5 ; 25.25,9.8 25.29,9.77 v3(25.29,9.32) ; 23.41,9.8 23.4,9.79 v3(23.4,9.4)
  In4.Cu w0.254: v3(22.2,30.6) 21.1,31.7 v3(21.1,32.5)
  In4.Cu w1.016: 60.27,24.94 61.93,24.94 62.31,25.32 v2(66.75,25.32) 66.75,26.3 v2(66.8,26.34)
  In4.Cu w2.032: 60.27,24.94 57.73,22.4
  Bottom w0.127: R1.2 20.19,30.2 21,30.2 U3.R1 v3(22.2,30.6)
  Bottom w0.254: C18.1 45.67,24.28 v4(45.28,24.28) 45.28,24.6 ; C18.1 45.39,24.6 45.28,24.6 ; C18.1 45.69,24.51 v4(45.28,24.92) 45.28,24.6 ; v4(43.97,24.28) v4(43.97,23.62) 43.71,23.89 C29.1 ; v4(43.97,24.28) v4(43.97,24.92) ; v4(43.97,24.28) 43.76,24.49 43.76,25.36 v4(43.97,25.58) v4(43.97,24.92) ; v4(43.97,24.92) v4(43.32,24.92) ; v4(43.97,24.92) 43.95,24.9 C17.1 ; v3(25,16.6) 25,17.59 C8.1 ; C30.1 33.29,24.89 v3(32.6,24.2)
  Bottom w0.305: 42.68,25.25 42.35,25.58 v4(42.03,25.58) v4(41.38,25.58) ; v3(31.8,30.6) v3(31,29.8)
  Bottom w0.406: v3(31.4,15.8) 31.4,16.26 C4.1 ; v3(33.8,15.8) 33.48,16.12 C3.1 ; v3(33,15) 33,14.31 C12.1 ; C1.1 34.71,15.11 v3(34.6,15) ; v3(23.4,9.4) 23.4,8.79 C16.1 24,8.81 ; v3(30.2,24.2) 29.52,24.2 C9.1 ; v3(28.6,25.8) 27.99,25.8 C28.1 ; v3(26.2,24.2) 26.51,23.89 C31.1 26.9,23.7 v3(27.4,23.2) ; C10.1 23.71,30.69 v3(23.8,30.6) ; C26.1 22.39,30.79 v3(22.2,30.6) ; C20.1 v3(27,29.8) v3(26.2,29.8) ; v3(31.7,9.32) 31.7,8.94 C14.1 ; v3(33.8,9.4) 34.37,8.83 C5.1 ; v3(33.8,9.4) 33.8,8.95 33.67,8.81 ; v3(33.8,9.4) 33.35,8.95 C13.1 33.35,9.05 v3(33,9.4) v3(33.8,9.4) ; C2.1 35.35,16.41 v3(35.35,15.85) 35.35,15.19 35.38,15.16 ; C7.1 v3(25.29,9.32) ; v3(33.4,29.8) v3(32.6,29.8) v3(31.8,30.6) ; v3(31.8,23.4) v3(31,23.4) 30.98,23.42 C19.1 ; C6.1 v3(29.54,9.32)
  Bottom w0.508: v3(19.2,17.6) 19.1,17.7 C11.1 R5.2 ; 35.71,15.11 36.33,15.11 C27.1 ; 35.71,15.11 C1.1 ; 35.71,15.11 35.71,15.09 36.27,14.53 36.84,14.53 ; 34.43,8.37 34.05,8.37 33.6,8.81 C13.1 34.11,8.81 34.37,8.56 ; C15.1 v3(33.4,29.8) 33.4,31.62 C21.1 ; C29.1 43.59,24.12 C17.1 43.57,24.92 v4(43.32,24.92) v4(42.68,24.92) 42.68,25.25
  Bottom w0.762: C26.1 C10.1
